# Allegro board RK3588S_Template_LP5D315P232SD10H2_42x42_2750MHz_1R2_V10_20220413YWQ.brd (continued)
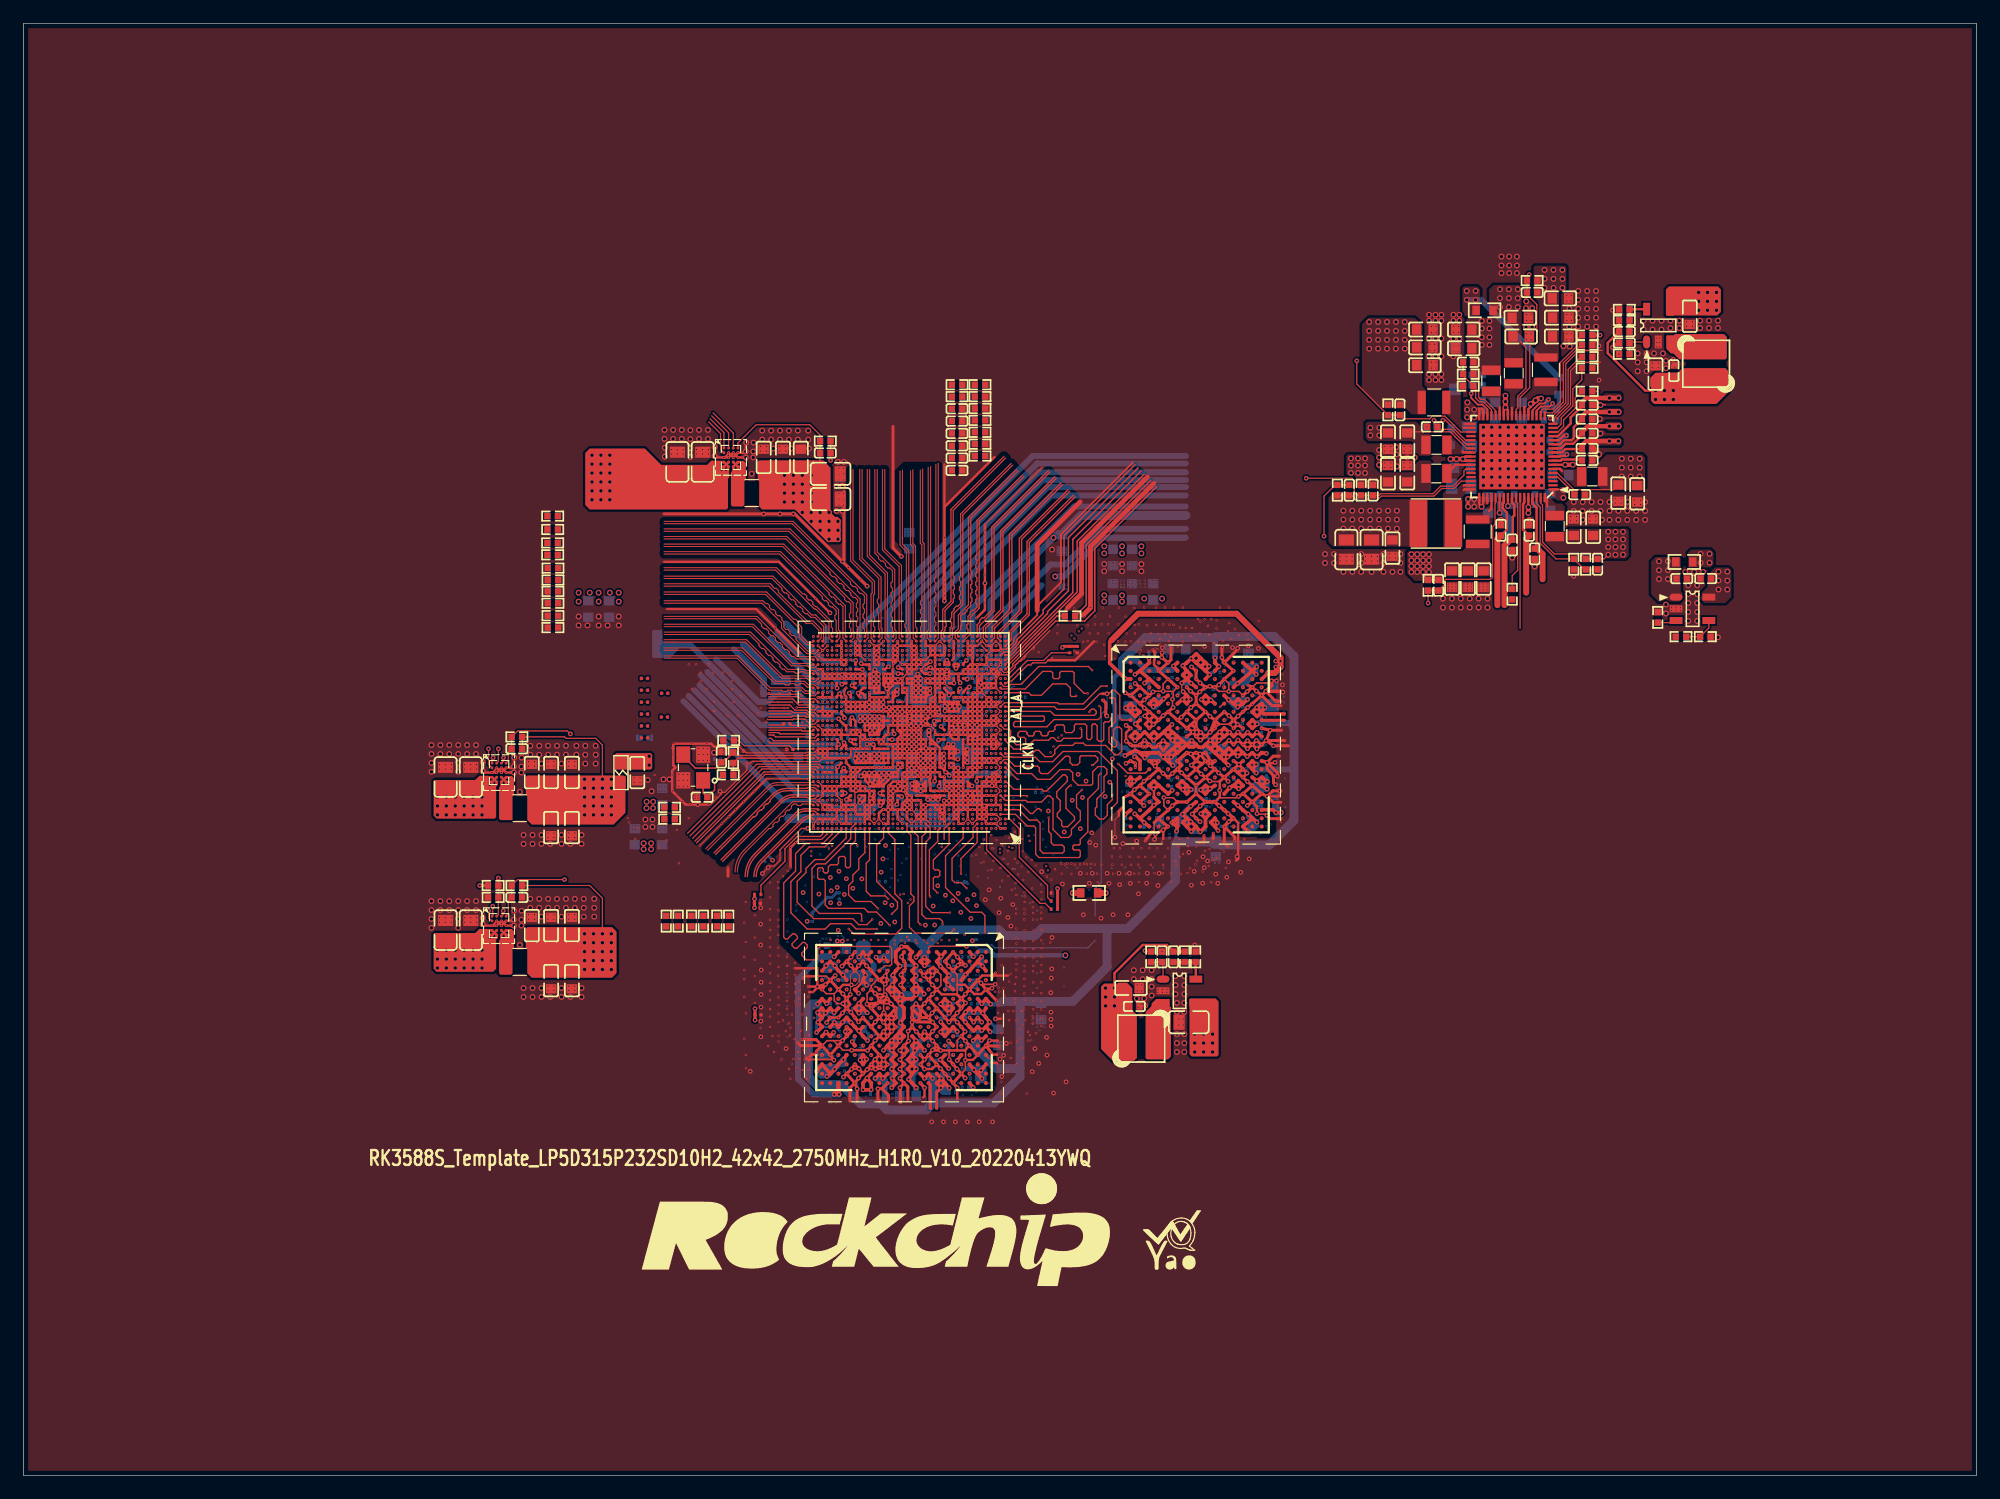
[diagram p0: board, top side]
## Routing (per net, layer and track width the routed paths; a pad name or vN(x,y) marks a point on that pad's centre or on a via; arc(x,y) is an arc through that point) (continued)
VDD_NPU_S0: length 75.2
  TOP w0.102: R2304.1 C2319.1 v1(68.96,86.74) ; U2302.A4 61.05,88.23 62.61,89.79 67.18,89.79 68.06,88.91 R2304.2 C2319.2 68.06,85.67
  TOP w0.203: v1(72.65,67.66) 72.69,67.62 U1000.AL29 ; v1(72.65,67.66) v1(73.06,67.66) ; v1(72.65,67.66) 72.61,67.7 U1000.AM30 ; v1(72.65,67.66) v1(72.65,68.06) ; U1000.AJ25 U1000.AH25 U1000.AH26 ; U1000.AJ25 74.37,66.5 v1(74.63,66.75) ; U1000.AJ25 U1000.AK25 ; U1000.AL29 U1000.AL30 U1000.AM30 ; U1000.AL29 U1000.AL28 ; U1000.AL29 U1000.AK29 U1000.AK28 ; U1000.AL28 73.09,67.62 v1(73.06,67.66) ; U1000.AL28 U1000.AK28 ; v1(72.65,68.47) 72.62,68.5 U1000.AP30 U1000.AN30 ; v1(72.65,68.47) 72.65,68.76 v1(72.75,68.86) 73.06,68.55 v1(73.06,68.47) ; v1(72.65,68.47) v1(73.06,68.47) ; v1(72.65,68.47) v1(72.65,68.06) ; U1000.AK28 U1000.AK27 ; U1000.AK25 74.48,66.9 v1(74.63,66.75) ; U1000.AK25 74.54,67.15 v1(74.66,67.15) 74.66,66.78 v1(74.63,66.75) ; v1(73.06,68.47) 73.06,68.07 v1(73.05,68.06) ; U1000.AM30 U1000.AN30 ; U1000.AN30 72.61,68.1 v1(72.65,68.06) ; v1(73.06,67.66) 73.06,68.06 v1(73.05,68.06) ; v1(72.65,68.06) v1(73.05,68.06)
  L2-GND1 w0.305: v1(72.75,68.86) 72.75,68.78 ; 72.75,68.78 72.75,68.57 v1(72.65,68.47) v1(72.65,68.06) ; 72.75,68.78 v1(73.06,68.47) 73.06,68.07 v1(73.05,68.06) ; v1(73.05,68.06) 73.05,67.66 v1(73.06,67.66) v1(72.65,67.66) v1(72.65,68.06) ; v1(73.05,68.06) v1(72.65,68.06)
  L3-S1 w0.305: v1(72.65,68.06) v1(72.65,67.66) v1(73.06,67.66) 73.05,67.66 v1(73.05,68.06) ; v1(72.65,68.06) v1(72.65,68.47) 72.65,68.76 v1(72.75,68.86) 72.75,68.78 v1(73.06,68.47) 73.06,68.07 v1(73.05,68.06) ; v1(72.65,68.06) v1(73.05,68.06)
  L5-POWER2 w0.102: v1(68.96,86.74) 68.71,86.49 64.52,86.49 59.92,81.89 59.92,72.79 65.5,67.21 68.89,67.21 69.29,67.61
  L8-S3 w0.102: 74.63,67.12 v1(74.66,67.15)
  L8-S3 w0.254: v1(74.63,66.75) 74.63,67.26 75.73,68.36 75.73,68.53
  L8-S3 w0.305: v1(73.06,68.47) 72.75,68.78 v1(72.75,68.86) 72.65,68.76 v1(72.65,68.47) ; v1(73.06,68.47) v1(72.65,68.47) ; v1(73.06,68.47) 73.05,68.47 v1(73.05,68.06) ; v1(73.05,68.06) 73.06,68.06 v1(73.06,67.66) v1(72.65,67.66) v1(72.65,68.06) ; v1(73.05,68.06) v1(72.65,68.06) ; v1(72.65,68.06) v1(72.65,68.47)
  L8-S3 w0.406: 75.73,68.53 75.95,68.76 75.69,69.02
  L9-GND3 w0.305: v1(74.66,67.15) 74.66,66.78 v1(74.63,66.75) ; v1(73.05,68.06) 73.05,67.66 v1(73.06,67.66) v1(72.65,67.66) v1(72.65,68.06) ; v1(73.05,68.06) v1(72.65,68.06) ; v1(73.05,68.06) 73.06,68.07 v1(73.06,68.47) ; v1(72.65,68.06) v1(72.65,68.47) ; v1(72.65,68.47) v1(73.06,68.47) ; v1(72.65,68.47) 72.65,68.76 v1(72.75,68.86) 73.06,68.55 v1(73.06,68.47)
  vias: v2(65.02,85.47) v2(65.02,84.71) v2(65.02,83.95) v2(65.02,83.19) v2(65.79,85.47) v2(65.79,84.71) v2(65.79,83.95) v2(65.79,83.19) v2(66.55,85.47) v2(66.55,84.71) v2(66.55,83.95) v2(66.55,83.19) v2(66.55,82.3) v2(67.31,85.47) v2(67.31,84.71) v2(67.31,83.95) v2(67.31,83.19) v2(67.31,82.3) v2(67.31,81.53) v2(68.07,82.3) v2(68.07,81.53) v2(68.07,80.77) v2(68.83,82.3) v2(68.83,81.53) v2(68.83,80.77) v2(68.83,80.01) v2(69.6,81.53) v2(69.6,80.77) v2(69.6,80.01)
VDD_VDENC_S0: length 153.2
  TOP w0.102: v1(128.65,102.62) 128.45,102.42 R2209.2 C2291.2 128.45,100.91 129.31,100.05 129.31,96.8 129.16,96.64 128.81,96.64 128.7,96.54 128.7,92.95 127.88,92.13 U2200.24
  TOP w0.203: U1000.U15 U1000.T15 ; U1000.U15 78.61,61.7 v1(78.64,61.67) 78.64,61.31 78.65,61.3 v1(78.65,61.26) ; U1000.U15 78.29,62.17 77.96,62.5 U1000.W16 ; U1000.T15 78.61,61.3 v1(78.65,61.26) ; U1000.T15 U1000.R15 ; v1(78.79,60.1) 78.82,60.1 78.82,60.1 ; v1(78.65,61.26) 78.65,60.91 78.64,60.9 ; U1000.W16 U1000.W17 U1000.Y17 ; U1000.W16 77.89,62.57 77.56,62.9 U1000.Y17 ; 78.72,60.22 78.72,60.79 v1(78.66,60.85) 78.66,60.88 78.64,60.9 ; 78.72,60.22 78.72,60.2 78.82,60.1 ; 78.72,60.22 78.44,60.5 U1000.P15 U1000.R15 ; U1000.Y17 77.49,63.15 v1(77.37,63.27) ; U1000.AD15 77.86,64.5 v1(77.83,64.47) 77.83,64.17 U1000.AC16 ; 78.82,60.1 78.9,60.1 79.1,59.9 v1(79.1,59.82) ; 78.64,60.9 U1000.R15
  TOP w0.406: v1(77.37,63.68) v1(77.37,63.27)
  L2-GND1 w0.305: v1(77.37,63.68) v1(77.37,63.27) ; v1(78.66,60.85) 78.64,60.88 v1(78.64,61.67) ; v1(78.79,60.1) 78.82,60.1 v1(79.1,59.82)
  L3-S1 w0.305: v1(78.66,60.85) 78.66,61.25 v1(78.65,61.26) 78.65,61.66 v1(78.64,61.67) ; v1(77.37,63.68) v1(77.37,63.27) ; v1(78.79,60.1) 79.07,59.82 v1(79.1,59.82)
  L5-POWER2 w0.457: 80.69,63.53 80.66,63.5 78.61,63.5 78.56,63.45 77.55,63.45 ; 77.55,63.45 77.37,63.63 v1(77.37,63.68) ; 77.55,63.45 v1(77.37,63.27)
  L5-POWER2 w0.508: 107.06,72.27 106.12,73.2 87.93,73.2 85.93,71.2 85.93,68.76 85.22,68.05 85.22,64.52 84.28,63.58 80.74,63.58 80.69,63.53
  L6-S2 w0.102: 83.95,59.69 83.57,59.31 82.04,59.31 81.53,59.82 v1(79.1,59.82) ; v1(128.65,102.62) 129.31,101.96 129.31,97.97 126.97,95.63 124.46,95.63 119.63,90.81 119.63,82.55 117.48,80.39 111.89,80.39 107.7,76.2 82.6,76.2 80.59,74.2 80.59,71.29 80.01,70.71 80.01,69.98 79.88,69.85
  L6-S2 w0.203: 77.88,64.47 77.89,64.47 77.93,64.43 78.14,64.43 78.16,64.41
  L6-S2 w0.254: 78.36,62.23 78.25,62.34 77.96,62.34 77.7,62.61 77.7,62.99 77.8,63.09 77.8,63.3 ; 78.16,63.5 77.85,63.5 ; 77.85,63.5 77.8,63.45 ; 77.85,63.5 77.95,63.6 78.16,63.6 ; 78.16,64.54 78.16,64.41 77.88,64.14 77.62,64.14 77.62,64.21 77.83,64.41 v1(77.83,64.47) 77.88,64.47 78.16,64.74 ; 77.8,63.45 77.8,63.3 ; 77.8,63.45 77.8,63.96 ; 77.8,63.3 78.13,63.3
  L6-S2 w0.305: 78.16,63.5 78.16,63.6 77.62,64.14
  L8-S3 w0.305: v1(78.64,61.67) 78.64,61.27 v1(78.65,61.26) 78.65,60.87 v1(78.66,60.85) ; v1(78.79,60.1) 79.07,59.82 v1(79.1,59.82)
  L9-GND3 w0.305: v1(78.79,60.1) 79.07,59.82 v1(79.1,59.82) ; v1(78.64,61.67) 78.64,60.88 v1(78.66,60.85)
  BOTTOM w0.305: 78.53,61.35 78.58,61.3 78.6,61.3 78.64,61.26 ; 78.65,61.26 v1(78.65,61.26) 78.64,61.26 78.64,61.26 ; 78.65,61.26 78.64,61.26 ; 78.65,61.26 78.69,61.26 ; v1(78.79,60.1) 78.8,60.09 78.84,60.09 78.82,60.09 78.82,60.1 78.86,60.1 79.02,59.94 79.1,59.94 79.11,59.94 ; C1080.1 78.05,64.47 v1(77.83,64.47) 77.8,64.44 C1063.1 ; 79.11,59.94 79.11,59.88 79.1,59.87 v1(79.1,59.82) 79.13,59.82 79.28,59.97 79.38,59.97 ; 79.11,59.94 79.08,59.94 ; 78.25,61.42 78.29,61.42 78.29,61.45 78.49,61.65 78.62,61.65 v1(78.64,61.67) ; v1(78.66,60.85) 78.66,60.85 78.62,60.85 78.4,60.63
  vias: v2(95.76,74.93) v2(97.28,74.93) v2(129.96,103.01) v2(129.96,102.25) v2(129.96,101.49) v2(130.73,103.01) v2(130.73,102.25) v2(130.73,101.49) v2(131.49,103.01) v2(131.49,102.25) v2(131.49,101.49) v4(107.06,70.66) v4(107.06,70.26) v4(107.46,70.66) v4(107.46,70.26)
VDDA_0V75_S0: length 190.1
  TOP w0.203: v1(80.64,68.05) 80.64,68.05 80.59,68.1 U1000.AN10 ; U1000.AM13 79.43,67.7 79.45,67.72 v1(79.5,67.72) 79.49,67.73 U1000.AN12 ; v1(71.68,68.88) 71.66,68.9 U1000.AR33 ; v1(73.91,69.11) 73.84,69.11 73.62,68.9 U1000.AR27 ; v1(69.52,67.28) 69.49,67.31 69.49,67.72 U1000.AM37 ; C2259.1 132.87,88.77 132.87,88.62 132.41,88.16 131.76,88.16 131.36,87.77 U2200.11 ; U1000.Y26 74.16,62.9 74.17,62.89 v1(74.22,62.89) ; 79.84,69.36 79.55,69.36 U1000.AT12 79.49,69.15 v1(79.68,68.96) 79.89,69.17 U1000.AT11 79.84,69.36
  TOP w0.381: 135.75,89.68 135.65,89.68 135.64,89.66 v2(135.51,89.66) 133.66,89.66 133.15,89.15 C2259.1
  TOP w0.508: v2(136.29,89.66) 135.64,89.66
  L3-S1 w0.203: 81.23,67.77 81.09,67.9 v3(81.09,68.1)
  L5-POWER2 w0.203: v1(74.22,62.89) 74.19,62.92 71.22,62.92 70.92,63.22 69.9,63.22 69.6,62.92 68.28,62.92 67.89,63.3 66.47,63.3 66.09,62.92 60.27,62.92 60.2,62.84 v4(60.15,62.84)
  L5-POWER2 w0.381: v1(79.5,67.72) 78.88,67.72 78.78,67.82
  L5-POWER2 w0.457: 78.78,67.82 78.71,67.82 78.13,68.4 78.13,71.27 78.84,71.98 78.84,73.23 79.5,73.89
  L5-POWER2 w0.508: v2(88.01,80.14) 82.7,80.14 79.5,76.94 79.5,73.89
  L8-S3 w0.203: v5(81.38,68.05) 81.29,67.95 v4(81.29,67.71) ; v5(60.4,63.04) 60.2,62.84 v4(60.15,62.84) v5(60.15,63.3)
  L8-S3 w0.381: v1(71.68,68.88) 71.77,68.88 72.15,69.27 72.15,69.8 71.58,70.37
  L8-S3 w0.508: 68.66,75.36 71.58,72.44 71.58,70.37
  BOTTOM w0.102: 79.33,68.67 79.33,68.17 C1711.1 79.32,67.89 v1(79.5,67.72)
  BOTTOM w0.203: 68.07,67.56 68.3,67.56 C1603.1 C1602.1 69.29,67.52 69.49,67.31 69.49,67.31 v1(69.52,67.28)
  BOTTOM w0.254: 81.6,68.19 81.52,68.19 v5(81.38,68.05) 81.31,67.97 C1507.1 ; C1103.1 74.24,62.87 v1(74.22,62.89)
  BOTTOM w0.279: C1605.1 71.98,68.58 v1(71.68,68.88) 71.24,68.88 C1611.1 ; v1(79.68,68.96) 79.56,69.09 C1407.1 79.56,69.76
  BOTTOM w0.305: 81.68,68.27 81.6,68.19
  BOTTOM w0.381: v1(73.91,69.11) 73.97,69.17 C1613.1 73.97,71.42
  BOTTOM w0.406: 81.68,68.27 82.11,68.27 83.18,69.34 83.18,69.47 ; 82.62,69.49 81.97,68.83 81.43,68.83 v1(80.64,68.05)
  BOTTOM w0.457: 83.95,70.61 83.18,69.85 83.18,69.47 ; 82.62,69.49 82.62,70.98
  BOTTOM w0.508: 99.31,83.74 87.81,83.74 80.26,76.2 80.26,71.42 80,71.15 80,70.2 79.56,69.76 ; 99.31,86.49 86.61,86.49 73.97,73.84 73.97,71.42 ; 56.83,66.61 v5(60.15,63.3) v5(60.4,63.04) ; 82.62,70.98 82.62,74.75 v2(88.01,80.14) 88.26,80.39 C1718.1 ; 68.07,67.56 67.75,67.89 C1113.1 63.83,71.49 ; 99.31,80.9 92.07,80.9 89.03,77.85 87.76,77.85 83.95,74.04 83.95,70.61
  BOTTOM w0.762: C1718.1 90.37,82.04 99.31,82.04
VDDA_0V85_S0: length 61.2
  TOP w0.102: U1000.AT18 U1000.AR19
  TOP w0.203: v1(77.49,69.55) 77.44,69.55 77.22,69.33 77.12,69.33 U1000.AT18 ; U1000.J36 70.02,58.5 v1(70.21,58.32) 69.99,58.1 U1000.H36 ; v1(77.45,68.53) 77.44,68.51 77.11,68.51 U1000.AP18 76.99,68.5 76.69,68.8 U1000.AR19 ; C2263.1 133.11,87.71 131.75,87.71 131.47,87.43 130.69,87.43 U2200.10
  TOP w0.381: v2(136.27,88.39) v2(135.51,88.39) 133.53,88.39 133.15,88.01 C2263.1
  BOTTOM w0.305: C1400.1 77.26,69.55 77.29,69.55 ; C1400.1 76.96,70.08 ; C1400.1 76.96,69.21 ; 76.96,70.08 v1(77.49,69.55) 77.29,69.55 ; 76.96,70.08 76.96,70.1 ; 77.29,69.55 76.96,69.21 ; 76.96,69.21 C1401.1 76.96,68.84 77.27,68.53 v1(77.45,68.53) 77.51,68.58 77.8,68.58 C1402.1
  BOTTOM w0.381: 68.58,58.29 68.61,58.26 C1800.1 C1801.1 70.15,58.26 v1(70.21,58.32)
  BOTTOM w0.508: 68.58,58.29 66.92,58.29 66.15,58.29 57.33,67.11 ; 99.31,85.06 87.1,85.06 76.96,74.93 76.96,70.1
VDDA_1V2_S0: length 12.1
  TOP w0.152: v2(126.13,82.26) 126.1,82.3 126.1,83.13 126.13,83.17 U2200.57
  L3-S1 w0.203: v3(70.29,68.9) 70.29,69.02 v4(70.51,69.24) 70.69,69.06 v3(70.69,68.9)
  L8-S3 w0.305: v4(70.51,69.24) v5(70.21,69.24)
  BOTTOM w0.254: v5(70.21,69.24) 70.08,69.24 69.85,69.47
  BOTTOM w0.305: 68.25,69.72 68.51,69.47 C1608.1 C1607.1 69.85,69.47
  BOTTOM w0.508: 68.25,69.72 65.16,72.82 ; 126.98,80.39 126.98,81.75 126.47,82.26 v2(126.13,82.26) 126.19,82.32 C2250.1
VDDA_DDR_PLL_S0: length 57.3
  TOP w0.203: U2200.12 131.28,88.12 131.63,88.47 132.28,88.47 132.46,88.65 132.46,89.58 C2258.1 ; v1(78.41,64.01) 78.41,63.98 U1000.AB14 ; v1(77.85,59.33) 77.89,59.38 U1000.M16
  TOP w0.381: 135.58,90.87 v2(135.51,90.87) 133.53,90.87 133.15,90.49 C2258.1
  TOP w0.508: v2(136.29,90.87) 135.58,90.87
  L8-S3 w0.152: 78.49,60.37 78.6,60.47 78.85,60.47 78.88,60.51
  L8-S3 w0.203: 78.49,60.37 77.95,59.83 77.95,59.44 v1(77.85,59.33) 77.77,59.26 77.77,58.78 78.44,58.12 79.64,58.12 80.63,57.13 80.9,57.13 81.28,56.75 81.28,56.6 ; v1(78.41,64.01) 78,64.01 77.77,63.78 77.77,62.56 78.26,62.07 78.81,62.07 79.06,61.82 79.06,60.69 78.88,60.51
  L8-S3 w0.406: 82.66,54.88 81.28,56.26 81.28,56.6
  L8-S3 w0.762: 82.66,54.88 85.45,52.09 85.45,50.44 87.38,48.51 87.38,47.62 91.09,43.91 110.87,43.91
  BOTTOM w0.279: v1(78.41,64.01) 78.61,64.21 C1215.1
  BOTTOM w0.305: C1210.1 77.77,59.26 v1(77.85,59.33)
VDDQ_DDR_CK_S0: length 152.9
  TOP w0.102: v2(135.4,78.68) 135.04,78.32 C2229.1 R2236.1 133.05,78.75 130.8,78.75 129.79,79.76 129.79,82.93 129.63,83.09 U2200.67
  TOP w0.203: 80.29,61.66 80.44,61.66 80.64,61.46 v1(80.64,61.34) ; 80.29,61.66 v1(80.66,62.03) ; 80.29,61.66 U1000.V10 ; 80.29,61.66 U1000.T10 ; U1000.V10 U1000.W10 U1000.Y10 ; U1000.V10 80.6,62.1 v1(80.66,62.03) ; U1000.H16 77.7,57.91 v1(77.7,57.76) ; U1000.H16 78.16,57.84 v1(78.16,57.76) ; U1000.H16 U1000.H18 ; U1000.H16 U1000.H15 ; U1000.H14 U1000.H15 ; U1000.H15 78.29,57.9 v1(78.16,57.76) ; v3(80.29,60.5) U1000.R10 ; U1000.R10 U1000.T10 ; U1000.R10 80.61,60.9 v1(80.64,60.93) v1(80.64,61.34) ; 80.69,59.29 v1(81.05,58.93) 81.02,58.9 U1000.K9 80.69,59.29 ; 80.69,59.29 U1000.L9 ; v1(80.64,61.34) 80.6,61.3 U1000.T10 ; v1(80.64,61.34) 80.66,61.36 v1(80.66,62.03) ; U1000.H18 U1000.H20 ; U1000.H18 77.22,57.97 77.22,57.8 v1(77.27,57.76) v1(77.7,57.76) ; U3901.V5 71.07,41.54 71.74,42.21 U3901.T4 ; v1(75.03,58.01) 74.94,58.01 74.85,58.1 U1000.H24 ; 96.6,57.96 96.6,58.61 v1(96.54,58.66) ; v1(77.7,57.76) v1(78.16,57.76)
  TOP w0.254: v1(71.4,44.32) U3901.T1 v1(72.04,44.32) ; v1(88.36,50.16) C1281.1 R1201.2 R1202.2 ; v1(62.51,38.92) 62.51,38.92 C3985.1 v1(62.51,39.89) ; v1(72.04,44.32) U3901.R1 ; v1(72.04,44.32) U3901.R2 ; R3901.2 78.03,32.77 v1(78.39,33.12) ; R1203.2 v1(62.46,49.28) C3986.1 v1(62.46,48.51) ; v1(88.77,70.76) 88.86,70.85 R1200.2 C1280.1 ; U3901.W4 v1(70.02,42.78) U3901.Y3 v1(69.32,43.56) U3901.AA2 v1(68.57,43.56) U3901.AB3
  TOP w0.305: v1(79.05,34.78) U3901.F13 v1(78.34,35.53) U3901.F12 ; v1(104.66,55.02) U3900.AB13 U3900.AA14 ; U3900.F12 v1(103.75,65.67) U3900.F13 ; U3900.F12 v1(102.97,66.29) U3900.E11 ; U3900.F12 103.8,66.36 U3900.F13 ; v1(72.08,33.97) U3901.T15 v1(71.74,32.96) 72.42,32.96 v1(72.44,32.98) U3901.R15 v1(72.08,33.97) ; v1(72.08,33.97) U3901.R14 ; v1(94.95,56.54) U3900.AA2 ; U3900.AA2 U3900.Y3 v1(96.59,57.27) U3900.W4 96.6,57.96 ; U3900.AA2 v1(95.76,55.79) U3900.AB3 ; v1(94.94,65.59) U3900.G1 ; v1(94.94,65.59) U3900.G2 95,64.86 U3900.G1 ; v1(94.94,65.59) U3900.F1 v1(94.18,65.59) U3900.G1 ; v1(106.26,58.66) U3900.T15 ; U3900.T15 v1(106.28,59.29) U3900.R15 v1(105.39,59.35) ; U3900.T15 v1(105.39,59.35) ; v1(105.38,55.83) U3900.AA14 ; U3900.AA14 v1(104.66,56.51) U3900.Y13 v1(103.76,57.26) U3900.W12 ; U3900.B14 U3900.C13 v1(103.73,67.68) U3900.D12 ; U3900.B14 U3900.A13 ; U3900.B14 v1(105.33,68.46) ; U3900.B14 v1(105.37,69.1) ; U3901.E11 v1(79.05,37.13) ; U3900.V11 v1(103.05,58.76) U3900.T12 ; U3901.B2 v1(81.95,43.52) U3901.A3 ; U3901.B2 v1(81.87,44.34) ; U3901.B2 U3901.C3 v1(80.49,42.81) U3901.D4 ; U3900.B2 U3900.A3 v1(96.16,69.85) ; U3900.B2 v1(94.97,68.46) ; U3900.B2 U3900.C3 ; U3900.G15 v1(106.07,65.63) U3900.F15 v1(105.38,65.63) ; U3900.G15 v1(105.38,65.63) ; U3900.G15 105.97,65.08 R3900.2 ; U3900.G15 105.4,64.86 U3900.G14 v1(105.38,65.63) ; v1(105.39,59.35) U3900.R14 ; U3900.F13 v1(104.58,66.31) ; U3900.T4 96.6,59.36 U3900.T3 v1(96.54,58.66) U3900.T4 ; U3900.T4 U3900.V5 v1(98.16,58.55) ; v1(68.66,34.11) U3901.AA14 ; U3901.AA14 v1(69.3,34.72) U3901.Y13 v1(70.06,35.54) U3901.W12 ; U3901.AA14 U3901.AB13 v1(67.77,34.54) ; v1(79.1,33.12) U3901.F15 ; U3901.F15 v1(78.43,33.93) ; U3901.F15 v1(78.39,33.12) U3901.G15 v1(78.43,33.93) ; U3900.F4 96.6,66.36 U3900.F3 v1(96.54,65.69) U3900.F4 ; U3900.F4 97.42,66.35 v1(97.42,66.37) 97.45,66.37 U3900.E5 ; v1(78.43,33.93) U3901.G14 ; v1(78.41,44.35) U3901.G2 v1(78.36,43.51) U3901.F3 v1(79.09,42.73) U3901.F4 v1(79.02,41.93) U3901.E5 ; v1(78.41,44.35) U3901.F1 ; v1(78.41,44.35) U3901.G1 ; U3901.T3 v1(71.94,42.77) U3901.T4 v1(72.05,41.92) ; U3901.B14 v1(81.83,34.63) U3901.A13 ; U3901.B14 81.22,34.66 v1(81.22,34.67) 81.2,34.69 81.19,34.69 U3901.C13 ; U3901.B14 v1(81.89,33.92) ; v1(94.89,59.32) U3900.T1 v1(94.33,59.3) U3900.R1 v1(94.89,59.32) ; v1(94.89,59.32) U3900.R2 ; U3900.T12 103.8,59.36 U3900.T13 v1(103.83,58.68) U3900.T12 ; U3901.V5 v1(71.36,41.21) ; U3900.C3 U3900.D4 ; U3900.C3 v1(95.79,67.71) ; U3901.D12 v1(79.78,35.46) ; U3901.V11 v1(70.81,37.08) ; v1(72.04,35.57) U3901.T12 v1(71.48,35.51) U3901.T13 v1(72.04,35.57)
  L2-GND1 w0.127: v3(80.29,60.5) 80.64,60.85 v1(80.64,60.93)
  L2-GND1 w0.305: v1(78.16,57.76) v1(77.7,57.76) v1(77.27,57.76) ; v1(80.64,60.93) v1(80.64,61.34)
  L3-S1 w0.064: 80.64,60.5 v4(80.67,60.53) 80.64,60.55 80.64,60.85 v3(80.29,60.5) 80.64,60.5
  L3-S1 w0.305: 80.64,60.85 v1(80.64,60.93) v1(80.64,61.34) ; v1(77.27,57.76) v1(77.7,57.76) v1(78.16,57.76)
  L8-S3 w0.203: v4(73.39,51.07) 73.66,50.79 v5(73.66,50.71) ; v4(67.5,48.2) 67.44,48.14 v5(67.44,47.87) ; v5(80.7,50.56) 80.52,50.74 v4(80.52,50.8) ; v5(85.6,66.49) v4(85.83,66.26) ; v4(86.66,57.93) 86.65,57.94 86.65,58.03 86.47,58.2 v5(86.47,58.38)
  L8-S3 w0.305: v1(78.16,57.76) v1(77.7,57.76) v1(77.27,57.76) ; v5(69.68,49.79) v4(69.68,49.44) ; v1(80.64,60.93) 80.64,60.55 v4(80.67,60.53) 80.9,60.76 80.9,61.8 v1(80.66,62.03) 80.64,62.01 v1(80.64,61.34) v1(80.64,60.93)
  L9-GND3 w0.305: v1(78.16,57.76) v1(77.7,57.76) v1(77.27,57.76) ; v1(80.64,60.93) v1(80.64,61.34)
  BOTTOM w0.102: 79.6,41.82 79.75,41.98 C3963.1
  BOTTOM w0.254: v1(78.34,35.53) 78.31,35.5 C3974.1 ; v5(69.68,49.79) 69.48,49.79 69.09,49.4 68.71,49.4 67.39,48.09 C1282.1 ; C1265.1 72.38,32.92 v1(72.44,32.98) ; v5(80.7,50.56) 80.55,50.71 C1284.1 ; v1(103.05,58.76) 103.21,58.92 C3921.1 103.6,58.92 v1(103.83,58.68) ; v1(72.08,33.97) 71.76,33.65 C3969.1 71.74,33.38 v1(71.74,32.96) ; C3976.1 v1(71.48,35.51) ; v1(96.16,69.85) 96.17,69.85 C3923.1 ; v1(95.79,67.71) 95.84,67.66 C3916.1 ; v1(80.49,42.81) 80.45,42.77 79.59,42.77 ; v1(96.54,58.66) 96.51,58.7 C3917.1 ; 79.6,41.82 79.56,41.86 79.56,42.77 ; v1(98.16,58.55) 98.08,58.63 C1250.1 ; v1(75.03,58.01) 75.08,57.96 75.08,57.2 75.06,57.18 75.06,56.64 75.82,55.88 78.74,55.88 80.08,57.21 80.08,58.01 C1216.1 80.18,58.16 80.95,58.93 v1(81.05,58.93) ; v1(96.59,57.27) 96.39,57.47 C3926.1 ; C1253.1 64.01,52.59 v1(64.01,52.58) ; 79.59,42.77 79.47,42.88 ; 79.59,42.77 79.56,42.77 ; C1264.1 70.98,37.25 v1(70.81,37.08) ; v1(79.05,37.13) 79.05,37.13 C1263.1 ; 79.56,42.77 79.13,42.77 v1(79.09,42.73) 79.09,41.84 79.18,41.75 ; v1(78.36,43.51) 78.35,43.52 C3966.1 78.35,44.29 v1(78.41,44.35) ; v1(95.76,55.79) 95.74,55.77 C3929.1 ; v1(81.87,44.34) 81.53,44 C3978.1 81.59,43.52 v1(81.95,43.52) 81.95,44.26 v1(81.87,44.34)
  BOTTOM w0.305: v1(75.03,58.01) 74.88,57.86 C1213.1
  BOTTOM w0.508: 79.6,41.82 79.13,41.82 v1(79.02,41.93)
  vias: v2(135.4,80.64) v2(135.4,79.99) v2(135.4,79.34) v2(136.02,80.64) v2(136.02,79.99) v2(136.02,79.34) v2(136.02,78.68) v2(136.67,80.64) v2(136.67,79.99) v2(136.67,79.34) v2(136.67,78.68)
VDDQ_DDR_CKE_S3: length 26.3
  TOP w0.203: v1(81.46,59.33) 81.46,59.67 U1000.M7 U1000.M6 ; v1(74.63,57.35) 74.69,57.42 U1000.G24
  TOP w0.508: R3920.2 v2(89.66,49.78)
  L8-S3 w0.508: v1(81.46,59.33) 84.58,56.21 84.58,55.63 89.66,50.55 v2(89.66,49.78)
  BOTTOM w0.254: v1(81.46,59.33) 81.48,59.31 81.48,58.47 C1211.1 81.84,58.12 81.84,57.73 81.58,57.48 80.85,57.48 78.87,55.5 75.56,55.5 74.37,56.7 74.37,57.18 C1212.1 74.49,57.35 v1(74.63,57.35)
ALPS_INT_L: length 13.3
  TOP w0.102: 57.17,54.45 63.11,60.38 67.61,60.38 U1000.N41
BIG/NPU_EN: length 19
  TOP w0.102: U2302.A2 60.25,89.1 58.8,90.55
  TOP w0.104: U2300.A2 40.58,47.93 R2303.1 R2302.2 v1(40.58,51.05) ; U2301.A2 40.58,61.01 v1(40.58,62.1)
  L8-S3 w0.102: v1(40.58,51.05) v1(40.58,62.1)
BQ_OTG_EN_H: length 17.9
  L3-S1 w0.076: v3(77.09,70.1) 77.59,70.6 77.59,71.86 77.15,72.3 77.15,72.8
  L3-S1 w0.102: 77.15,72.8 77.15,73.37 76.91,73.61 76.91,77.63 77.27,77.98 77.27,82.65 76.53,83.38 76.53,87.09
BT_REG_ON_H: length 13.5
  L3-S1 w0.076: v3(68.69,67.3) 68.69,67.27 68.35,66.93 67.15,66.93 66.84,67.23 66.76,67.23 66.22,67.78
  L3-S1 w0.102: 57.36,71.77 62.23,71.77 66.22,67.78
BT_WAKE_HOST_H: length 14
  L3-S1 w0.076: 66.24,65.8 66.72,65.33 68.72,65.33 v3(69.09,65.7)
  L3-S1 w0.102: 66.24,65.8 66.16,65.88 66.1,65.88 61.64,70.35 57.36,70.35
CC_INT0_L: length 13.9
  L3-S1 w0.076: v3(69.09,67.3) 69.09,67.39 69.31,67.61 69.31,67.79 68.9,68.2 67.22,68.2 66.7,68.73 66.7,68.74 66.21,69.23
  L3-S1 w0.102: 66.21,69.23 62.64,72.8 58.05,72.8
CHRG_OK_H: length 13
  L3-S1 w0.076: v3(68.69,67.7) 68.49,67.9 66.97,67.9 66.21,68.66
  L3-S1 w0.102: 57.64,72.39 62.48,72.39 66.21,68.66
DDR_CH0_A0_A: length 30.4
  TOP w0.107: v3(92.84,66.46) 93.18,66.46 93.3,66.34 93.3,64.44 92.75,63.88 92.75,62.65 93.13,62.27 93.3,62.27 93.41,62.38 93.41,62.69 93.14,62.96 93.14,63.71 93.38,63.95 93.65,63.95 93.84,63.76 93.84,61.89 93.53,61.59 93.26,61.59 92.47,62.39 90.75,62.39 90.55,62.59 89.85,62.59 89.64,62.39 88.52,62.39 88.12,61.99 88.12,61.68 87.87,61.43 87.29,61.43 86.74,61.98 86.49,61.98 86.21,61.7 83.9,61.7 U1000.U1
  L3-S1 w0.064: v3(97,65.18) 96.88,65.18 v4(96.58,64.88) ; v4(93.31,66.24) 93.09,66.46 v3(92.84,66.46)
  L6-S2 w0.081: v4(96.58,64.88) 96.72,65.02 97,65.02 97.25,65.28 97.6,65.28 97.87,65.55 97.87,65.83 97.67,66.03 96.43,66.03 96.2,65.8 96.2,65.33 96.13,65.26 95.55,65.26 95.29,65 95.06,65 94.83,65.23 94.67,65.23 94.48,65.04 93.97,65.04 93.84,65.17 93.84,65.83 93.72,65.95 93.38,65.95 93.31,66.03 v4(93.31,66.24)
DDR_CH0_A0_B: length 28.7
  TOP w0.107: v3(92.96,57.02) 93.47,57.53 93.47,60.23 91.83,61.87 88.82,61.87 87.95,61 86.85,61 86.47,61.38 84.46,61.38 84.43,61.41 83.78,61.41 83.61,61.59 U1000.U2
  L3-S1 w0.064: v4(103.32,60.03) 103.36,59.99 v3(103.36,59.68) ; v3(92.96,57.02) 93.18,56.79 v4(93.26,56.79)
  L6-S2 w0.081: v4(93.26,56.79) 93.88,56.79 93.99,56.91 95.77,56.91 96.5,56.17 99.16,56.17 99.36,56.38 99.36,57.37 99.58,57.59 101.75,57.59 102.59,58.43 102.59,59.44 102.8,59.64 102.93,59.64 v4(103.32,60.03)
DDR_CH0_A1_A: length 30.5
  TOP w0.107: U1000.AC2 83.82,63.77 84.22,63.77 84.35,63.64 84.35,62.92 84.82,62.45 85.51,62.45 85.63,62.57 85.63,62.95 85.51,63.07 85.1,63.07 84.97,63.21 84.97,63.43 85.13,63.59 85.64,63.59 85.76,63.47 85.76,63.34 85.91,63.19 86.24,63.19 86.36,63.31 86.36,63.47 86.47,63.59 86.83,63.59 86.95,63.47 86.95,63.33 87.07,63.21 87.43,63.21 87.55,63.33 87.55,63.47 87.67,63.59 87.96,63.59 88.13,63.76 88.13,63.76 88.13,63.99 88.27,64.14 88.83,64.14 88.95,64.02 88.95,63.6 89.07,63.48 89.58,63.48 89.79,63.7 89.79,64.09 89.91,64.22 90.69,64.22 90.84,64.07 90.84,63 90.96,62.88 91.13,62.88 91.28,63.04 91.28,64.1 91.4,64.22 91.59,64.22 91.74,64.06 91.74,62.89 91.89,62.75 92.17,62.75 92.3,62.88 92.3,64.3 92.4,64.4 92.74,64.4 92.92,64.59 v3(92.92,64.72)
  L3-S1 w0.064: v3(92.92,64.72) 93.11,64.72 v4(93.25,64.86) ; v3(97.76,64.58) 97.46,64.28 v4(97.46,64.12)
  L6-S2 w0.081: v4(97.46,64.12) 97.46,64.15 97.59,64.28 97.72,64.28 97.79,64.21 97.79,63.76 97.72,63.69 97.2,63.69 97.12,63.76 97.12,63.84 97.05,63.92 96.82,63.92 96.74,63.84 96.74,63.76 96.67,63.69 96.35,63.69 96.27,63.77 96.27,63.96 96.18,64.05 95.97,64.05 95.88,63.96 95.88,63.77 95.8,63.69 95.66,63.69 95.59,63.76 95.59,64 95.52,64.06 95.39,64.06 95.31,63.99 95.31,63.76 95.24,63.69 94.59,63.69 94.5,63.78 94.5,63.89 94.67,64.07 94.67,64.41 94.6,64.48 94.07,64.48 93.84,64.25 93.74,64.25 93.49,64.49 92.95,64.49 92.88,64.57 92.88,64.83 92.95,64.9 93.21,64.9 v4(93.25,64.86)
DDR_CH0_A1_B: length 28.2
  TOP w0.107: U1000.R2 83.78,61.19 84.13,61.19 84.7,60.62 86.65,60.62 86.8,60.47 86.8,60.15 86.97,59.98 87.55,59.98 88.78,61.21 88.78,61.21 89.03,61.46 89.31,61.46 89.43,61.34 89.43,60.92 89.63,60.72 90.05,60.72 90.25,60.92 90.25,61.39 90.37,61.51 91.59,61.51 91.79,61.3 91.79,61.1 91.41,60.72 91.32,60.72 v3(91.31,60.71)
  L3-S1 w0.064: v4(102.31,60.63) 102.33,60.63 v3(102.6,60.36) ; v4(90.95,60.6) 91.06,60.71 v3(91.31,60.71)
  L6-S2 w0.081: v4(102.31,60.63) 102.45,60.77 102.45,61.64 102.38,61.71 102.05,61.71 101.93,61.59 101.93,61.07 101.86,61 101.53,61 101.38,61.15 101.38,61.69 101.31,61.76 101,61.76 100.93,61.69 100.93,61.4 100.81,61.29 98.53,61.29 98.41,61.4 98.41,61.64 98.29,61.76 96.43,61.76 96.27,61.59 96.27,61.21 95.76,60.71 95.07,60.71 94.58,61.19 93.47,61.19 93.02,60.75 91.7,60.75 91.56,60.6 v4(90.95,60.6)
DDR_CH0_A2_A: length 30
  TOP w0.107: v3(91.08,65.24) 91.08,65.3 91.27,65.49 91.49,65.49 91.66,65.31 91.66,65.13 91.5,64.96 88.1,64.96 87.76,65.3 U1000.AF1
  L3-S1 w0.064: v4(91.04,65.68) 91.04,65.28 v3(91.08,65.24) ; v3(100.2,65.26) 100.49,65.55 v4(100.49,65.55)
  L6-S2 w0.081: v4(100.49,65.55) 100.58,65.65 101,65.65 101.15,65.49 101.15,65.32 101.23,65.24 101.7,65.24 101.78,65.32 101.78,65.8 101.66,65.92 101.13,65.92 101.06,65.99 101.06,66.44 100.85,66.65 100.31,66.65 100.23,66.57 100.23,66.26 100.26,66.23 100.26,66.03 100.18,65.95 99.54,65.95 99.34,66.15 99.34,66.48 99.17,66.64 98.33,66.64 98.26,66.71 97.31,66.71 96.89,66.3 96.66,66.3 96.6,66.36 96.6,66.5 96.53,66.57 96.24,66.57 96.17,66.49 96.17,66.16 95.93,65.92 95.34,65.92 95.27,66 94.04,66 93.39,66.65 92.95,66.65 92.78,66.48 92.42,66.48 92.24,66.65 92.01,66.65 91.93,66.58 91.93,66.05 91.07,65.19 90.64,65.19 90.33,65.49 90.33,65.94 90.42,66.03 90.42,66.28 90.71,66.57 90.97,66.57 91.12,66.41 91.12,65.76 v4(91.04,65.68)
DDR_CH0_A2_B: length 28
  TOP w0.107: v3(93.03,58.16) 93.03,57.76 92.61,57.33 92.61,56.69 92.61,56.42 92.28,56.09 91.93,56.09 91.59,56.44 91.59,57.02 91.71,57.14 91.71,57.81 92.32,58.42 92.32,59.71 92.57,59.95 92.57,60.34 92.33,60.58 91.81,60.58 91.36,60.12 91.36,59.11 91.24,58.99 90.11,58.99 89.65,59.45 89.65,60.04 89.37,60.33 88.57,60.33 87.74,59.49 86.63,59.49 86.13,59.98 84.87,59.98 83.96,60.9 U1000.R1
  L3-S1 w0.064: v3(93.03,58.16) 93.09,58.22 93.31,58.22 v4(93.38,58.14) ; v3(100.16,59.67) 100.11,59.67 v4(99.88,59.9)
  L6-S2 w0.081: v4(99.88,59.9) 99.33,59.34 99.18,59.34 98.56,58.72 98.56,58.46 98.3,58.21 97.92,58.21 97.67,58.46 97.29,58.46 96.7,57.87 93.65,57.87 v4(93.38,58.14)
DDR_CH0_A3_A: length 30